# KiCad board control.kicad_pcb
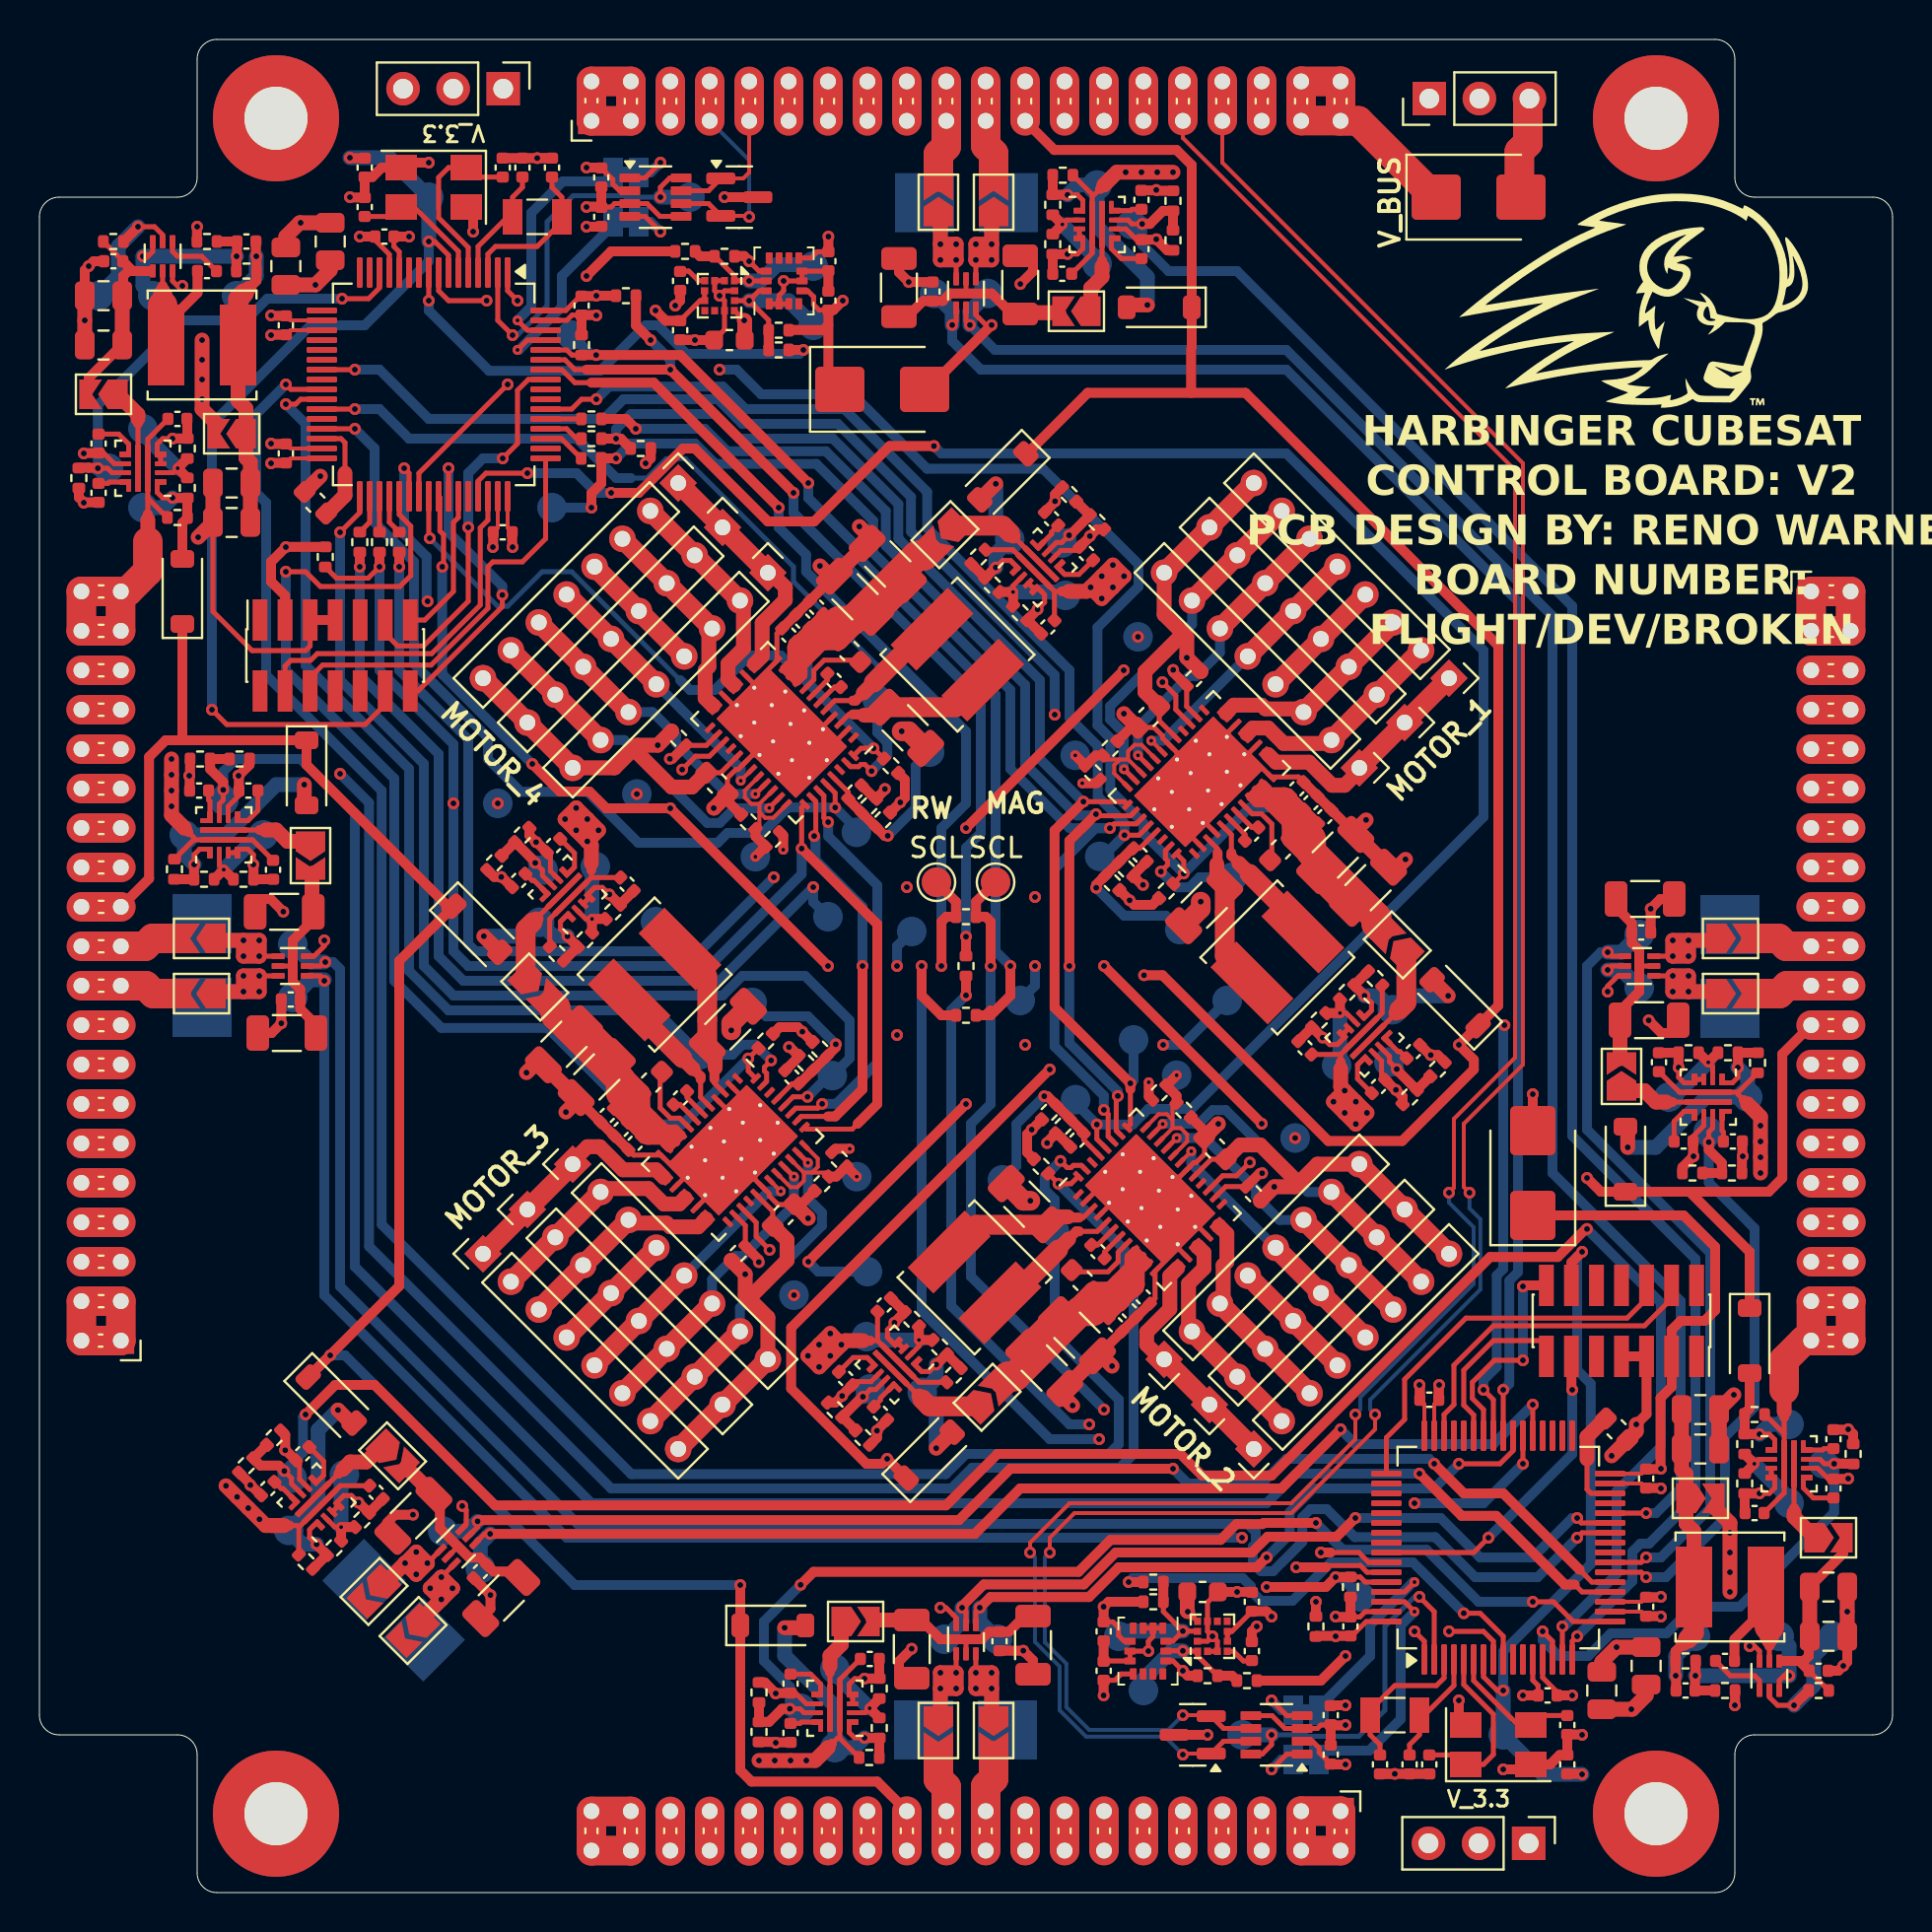
[diagram p0: board, top side]
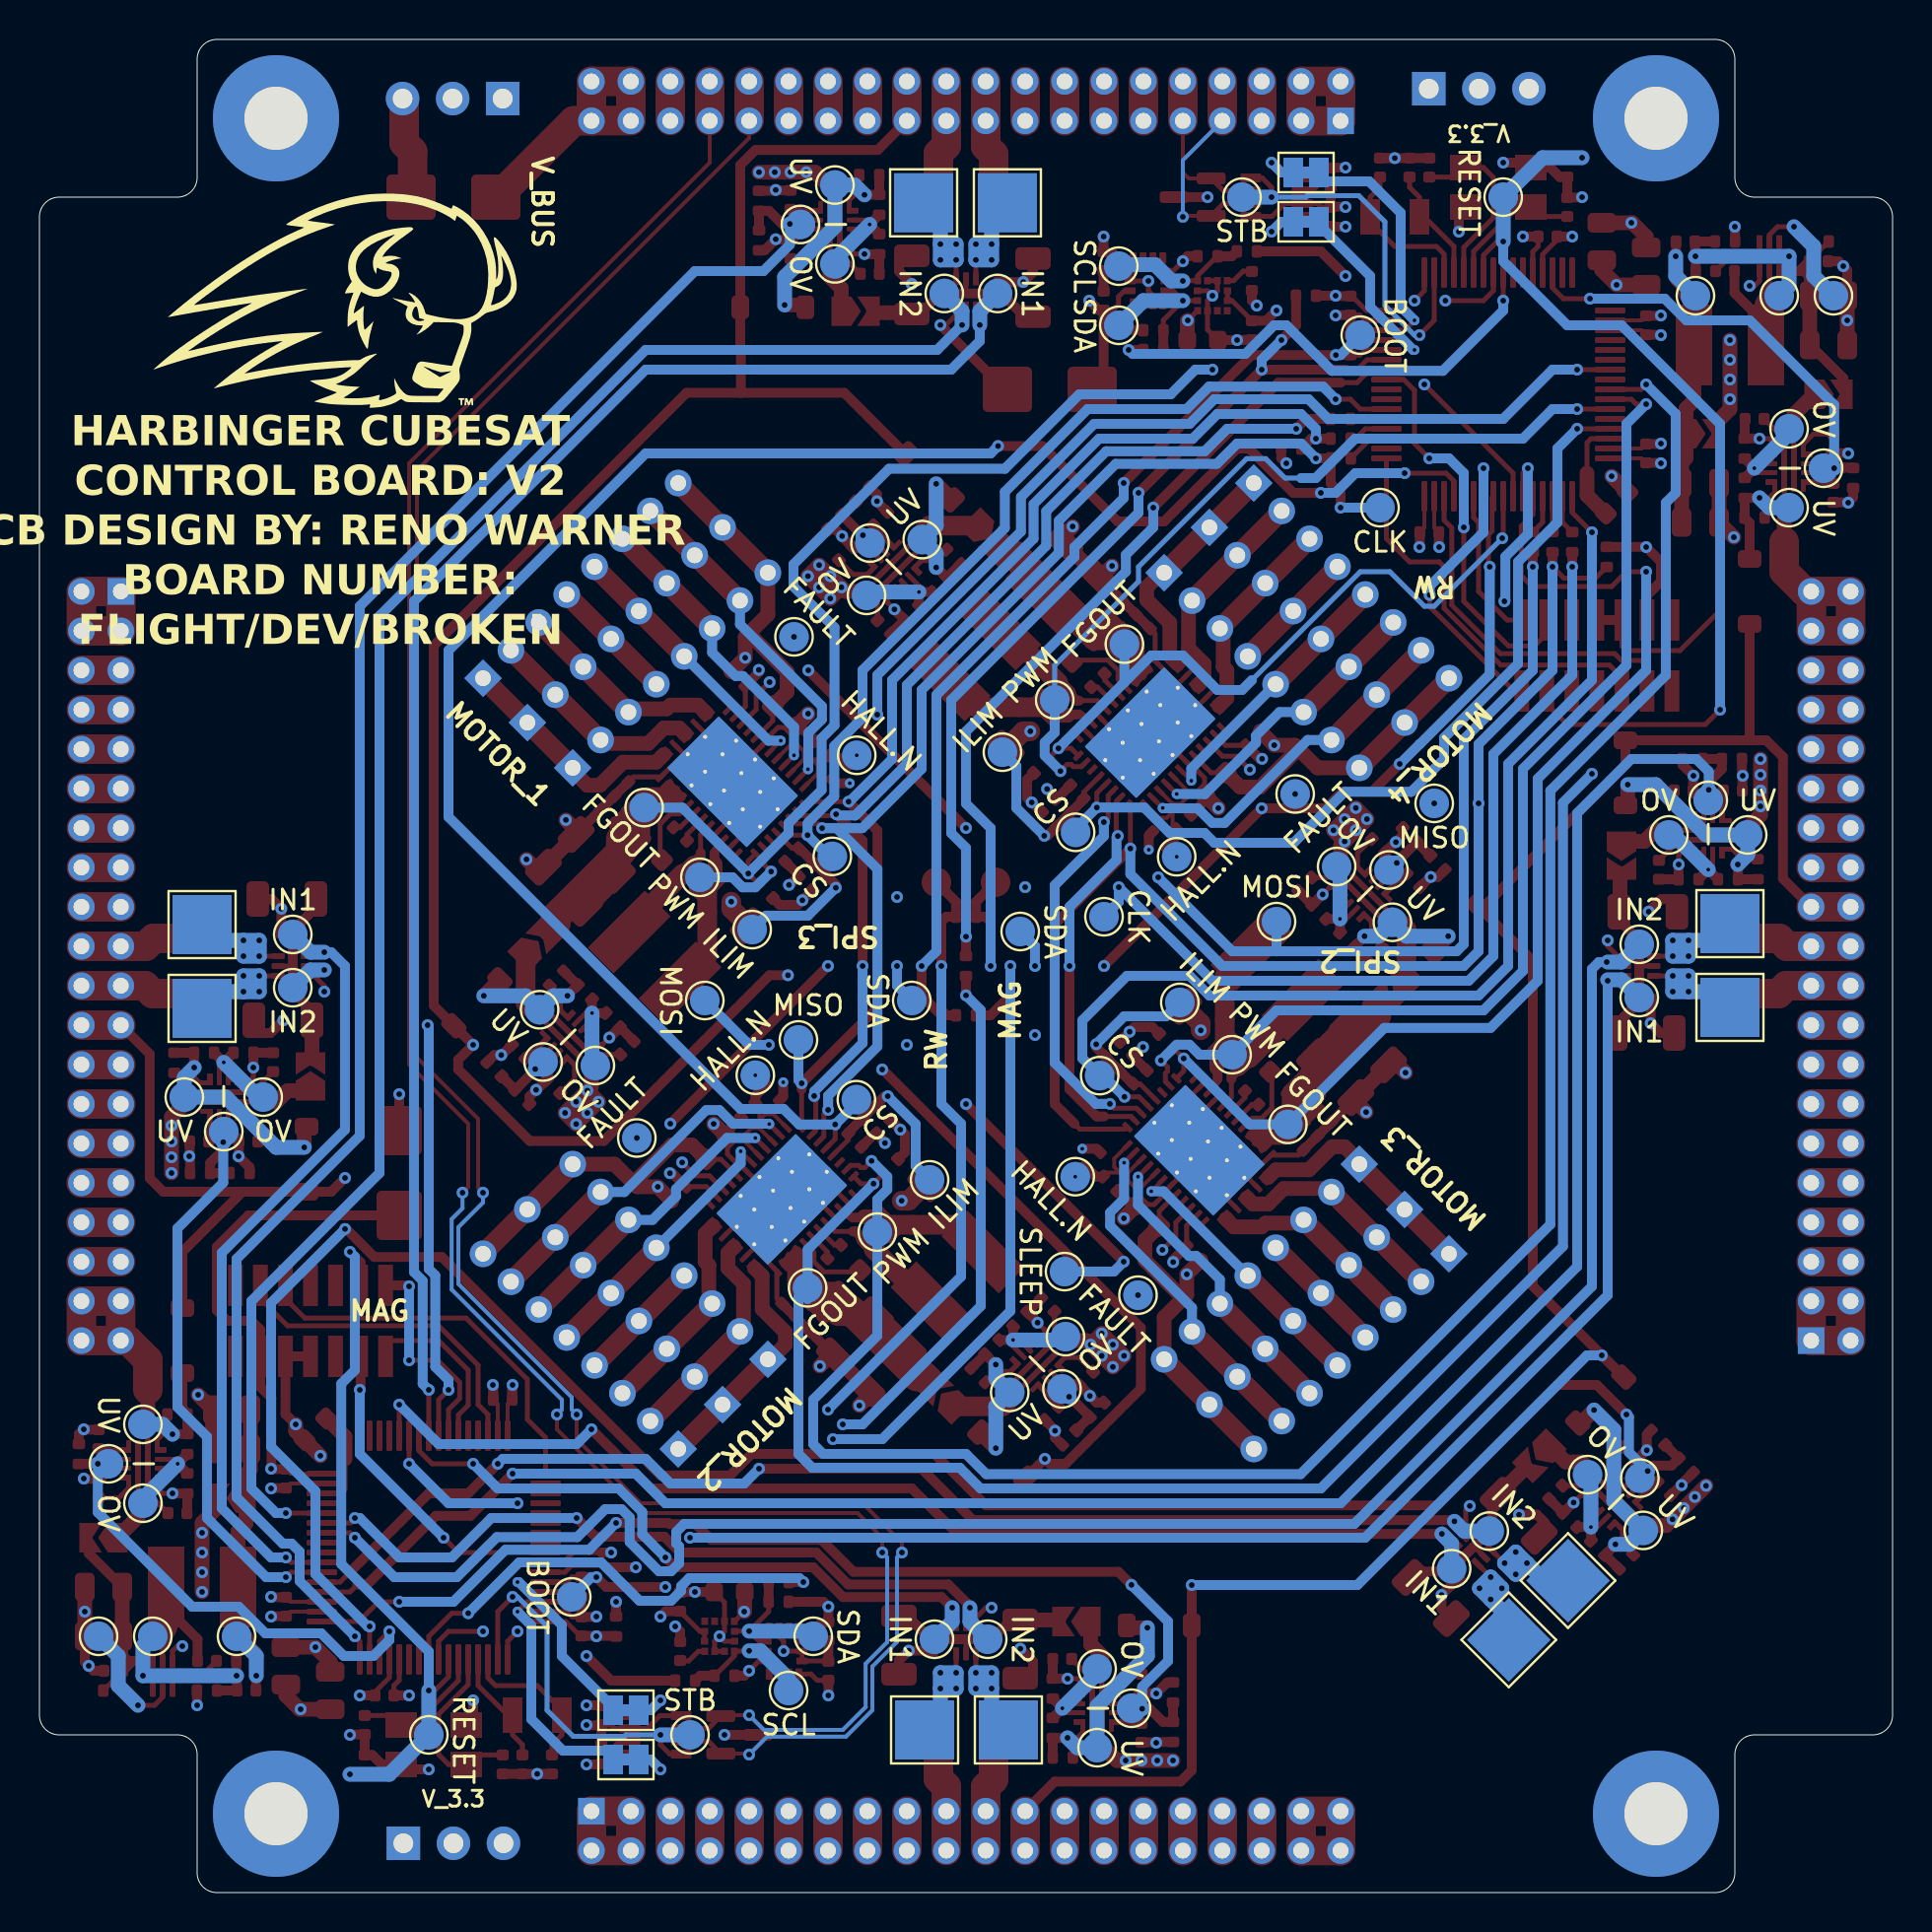
[diagram p1: board, bottom side, seen from below]

Outline 94 x 94 mm; copper layers: Top, In1.Cu, In2.Cu, Bottom. Coordinates in mm from the lower left corner of the outline.
Outline path: 0,85 0,9 arc(0.29,8.29) 1,8 7,8 arc(7.71,7.71) 8,7 8,1 arc(8.29,0.29) 9,0 85,0 arc(85.71,0.29) 86,1 86,7 arc(86.29,7.71) 87,8 93,8 arc(93.71,8.29) 94,9 94,85 arc(93.71,85.71) 93,86 87,86 arc(86.29,86.29) 86,87 86,93 arc(85.71,93.71) 85,94 9,94 arc(8.29,93.71) 8,93 8,87 arc(7.71,86.29) 7,86 1,86 arc(0.29,85.71) 0,85
Stack: Top 0.0175mm / dielectric 0.1855mm FR4 er 4.74 / In1.Cu 0.035mm / dielectric 1.03mm FR4 er 4.6 / In2.Cu 0.035mm / dielectric 0.1855mm FR4 er 4.74 / Bottom 0.0175mm

## Placement (name value [footprint] x y rotation side)
C1  100nF  [C_0402_1005Metric]  64.2 42.85 135 top
C2  4.7nF  [C_0402_1005Metric]  69.69 42.66 45 top
C3  4.7nF  [C_0402_1005Metric]  67.92 40.89 45 top
C4  100nF  [C_0402_1005Metric]  53.98 11.25 90 top
C5  100nF  [C_0402_1005Metric]  53.98 13.25 270 top
C6  100nF  [C_0402_1005Metric]  61.5 14.75 90 top
C7  1uF  [C_0603_1608Metric]  59 15.25 0 top
C8  100nF  [C_0402_1005Metric]  61.5 12.25 90 top
C9  100nF  [C_0402_1005Metric]  65.2 54.58 225 top
C10  100nF  [C_0402_1005Metric]  55.83 52.63 315 top
C11  100nF  [C_0402_1005Metric]  64.49 55.28 225 top
C12  100nF  [C_0402_1005Metric]  63.79 55.99 225 top
C13  22uF  [C_1206_3216Metric]  67.39 50.97 45 top
C14  22uF  [C_1206_3216Metric]  65.73 52.63 45 top
C15  22uF  [C_1206_3216Metric]  59.08 50.09 45 top
C16  1uF  [C_0603_1608Metric]  62.97 52.91 225 top
C17  47nF  [C_0402_1005Metric]  61.49 53.69 225 top
C18  1uF  [C_0603_1608Metric]  56.25 59.63 225 top
C19  100nF  [C_0402_1005Metric]  48.7 12.75 270 top
C20  22uF  [C_1206_3216Metric]  50.4 12.55 270 top
C21  22uF  [C_1206_3216Metric]  44.25 12.35 270 top
C22  100nF  [C_0402_1005Metric]  42.12 11.85 0 top
C23  4.7nF  [C_0402_1005Metric]  38.1 8.1 270 top
C24  4.7nF  [C_0402_1005Metric]  38.1 10.6 270 top
C25  100nF  [C_0402_1005Metric]  32.5 79.25 270 top
C26  1uF  [C_0603_1608Metric]  35 78.75 180 top
C27  100nF  [C_0402_1005Metric]  32.5 81.75 270 top
C28  100nF  [C_0402_1005Metric]  12.75 45.3 180 top
C29  22uF  [C_1206_3216Metric]  12.55 43.6 180 top
C30  22uF  [C_1206_3216Metric]  12.41 49.75 180 top
C31  100nF  [C_0402_1005Metric]  11.85 51.88 270 top
C32  4.7nF  [C_0402_1005Metric]  8.1 55.9 180 top
C33  4.7nF  [C_0402_1005Metric]  10.6 55.9 180 top
C34  100nF  [C_0402_1005Metric]  42.85 29.8 45 top
C35  4.7nF  [C_0402_1005Metric]  42.66 24.31 315 top
C36  4.7nF  [C_0402_1005Metric]  40.89 26.08 315 top
C37  100nF  [C_0402_1005Metric]  40.02 82.75 270 top
C38  100nF  [C_0402_1005Metric]  40.02 80.75 90 top
C39  100nF  [C_0402_1005Metric]  54.58 28.8 135 top
C40  100nF  [C_0402_1005Metric]  52.63 38.17 225 top
C41  100nF  [C_0402_1005Metric]  55.28 29.51 135 top
C42  100nF  [C_0402_1005Metric]  55.99 30.21 135 top
C43  22uF  [C_1206_3216Metric]  50.97 26.61 315 top
C44  22uF  [C_1206_3216Metric]  52.63 28.27 315 top
C45  22uF  [C_1206_3216Metric]  50.09 34.92 315 top
C46  1uF  [C_0603_1608Metric]  52.91 31.03 135 top
C47  47nF  [C_0402_1005Metric]  53.69 32.51 135 top
C48  1uF  [C_0603_1608Metric]  59.63 37.75 135 top
C49  100nF  [C_0402_1005Metric]  29.8 51.15 315 top
C50  4.7nF  [C_0402_1005Metric]  24.31 51.34 225 top
C51  4.7nF  [C_0402_1005Metric]  26.08 53.11 225 top
C52  100nF  [C_0402_1005Metric]  28.8 39.42 45 top
C53  100nF  [C_0402_1005Metric]  38.17 41.37 135 top
C54  100nF  [C_0402_1005Metric]  29.51 38.72 45 top
C55  100nF  [C_0402_1005Metric]  30.21 38.01 45 top
C56  22uF  [C_1206_3216Metric]  26.61 43.03 225 top
C57  22uF  [C_1206_3216Metric]  28.27 41.37 225 top
C58  22uF  [C_1206_3216Metric]  34.92 43.91 225 top
C59  1uF  [C_0603_1608Metric]  31.03 41.09 45 top
C60  47nF  [C_0402_1005Metric]  32.51 40.31 45 top
C61  1uF  [C_0603_1608Metric]  37.75 34.37 45 top
C62  100nF  [C_0402_1005Metric]  51.15 64.2 225 top
C63  4.7nF  [C_0402_1005Metric]  51.34 69.69 135 top
C64  4.7nF  [C_0402_1005Metric]  53.11 67.92 135 top
C65  100nF  [C_0402_1005Metric]  81.25 48.7 0 top
C66  22uF  [C_1206_3216Metric]  81.45 50.4 0 top
C67  22uF  [C_1206_3216Metric]  81.65 44.25 0 top
C68  100nF  [C_0402_1005Metric]  39.42 65.2 315 top
C69  100nF  [C_0402_1005Metric]  41.37 55.83 45 top
C70  100nF  [C_0402_1005Metric]  38.72 64.49 315 top
C71  100nF  [C_0402_1005Metric]  38.01 63.79 315 top
C72  22uF  [C_1206_3216Metric]  43.03 67.39 135 top
C73  22uF  [C_1206_3216Metric]  41.37 65.73 135 top
C74  22uF  [C_1206_3216Metric]  43.91 59.08 135 top
C75  1uF  [C_0603_1608Metric]  41.09 62.97 315 top
C76  47nF  [C_0402_1005Metric]  40.31 61.49 315 top
C77  1uF  [C_0603_1608Metric]  34.37 56.25 315 top
C78  100nF  [C_0402_1005Metric]  82.15 42.12 90 top
C79  4.7nF  [C_0402_1005Metric]  85.9 38.1 0 top
C80  4.7nF  [C_0402_1005Metric]  83.4 38.1 0 top
C81  100nF  [C_0402_1005Metric]  22.37 16.29 225 top
C82  22uF  [C_1206_3216Metric]  23.43 14.94 225 top
C83  22uF  [C_1206_3216Metric]  18.97 19.11 225 top
C84  100nF  [C_0402_1005Metric]  17.08 20.3 315 top
C85  4.7nF  [C_0402_1005Metric]  11.58 20.49 225 top
C86  4.7nF  [C_0402_1005Metric]  13.35 22.26 225 top
C87  100nF  [C_0402_1005Metric]  51.88 82.11 180 top
C88  4.7nF  [C_0402_1005Metric]  55.9 85.86 90 top
C89  4.7nF  [C_0402_1005Metric]  55.9 83.36 90 top
C90  100nF  [C_0402_1005Metric]  45.3 81.21 90 top
C91  22uF  [C_1206_3216Metric]  43.6 81.41 90 top
C92  22uF  [C_1206_3216Metric]  49.75 81.55 90 top
C93  100nF  [C_0402_1005Metric]  7 74.75 0 top
C94  4.7nF  [C_0402_1005Metric]  3 71 270 top
C95  4.7nF  [C_0402_1005Metric]  3 73.5 270 top
C96  100nF  [C_0402_1005Metric]  8.5 82.25 180 top
C97  47pF  [C_0402_1005Metric]  10.5 83.75 0 top
C98  100nF  [C_0402_1005Metric]  3.75 82.75 180 top
C99  10uF  [C_0805_2012Metric]  3.25 81 180 top
C100  10uF  [C_0805_2012Metric]  3.25 78.5 180 top
C101  10uF  [C_0805_2012Metric]  9.75 71.5 180 top
C102  10uF  [C_0805_2012Metric]  9.75 69.5 180 top
C103  100nF  [C_0402_1005Metric]  23.5 69 180 top
C104  100nF  [C_0402_1005Metric]  16.5 87.5 270 top
C105  10uF  [C_0805_2012Metric]  12.5 82.5 270 top
C106  100nF  [C_0402_1005Metric]  12.5 79.5 90 top
C107  10uF  [C_0805_2012Metric]  14.75 83.75 270 top
C108  100nF  [C_0402_1005Metric]  12.5 73 90 top
C109  100nF  [C_0402_1005Metric]  17.5 84 0 top
C110  100nF  [C_0402_1005Metric]  27.5 80.5 270 top
C111  4.7uF  [C_0603_1608Metric]  14 70.5 135 top
C112  6pF  [C_0402_1005Metric]  24.5 87.5 90 top
C113  6pF  [C_0402_1005Metric]  26 87.5 90 top
C114  12pF  [C_0402_1005Metric]  23.5 87.5 90 top
C115  12pF  [C_0402_1005Metric]  16.5 85.5 270 top
C116  100nF  [C_0402_1005Metric]  28.5 85 270 top
C117  100nF  [C_0402_1005Metric]  28.5 87 90 top
C118  100nF  [C_0402_1005Metric]  87 19.25 180 top
C119  4.7nF  [C_0402_1005Metric]  91 23 90 top
C120  4.7nF  [C_0402_1005Metric]  91 20.5 90 top
C121  100nF  [C_0402_1005Metric]  85.5 11.75 0 top
C122  47pF  [C_0402_1005Metric]  83.5 10.25 180 top
C123  100nF  [C_0402_1005Metric]  90.25 11.25 0 top
C124  10uF  [C_0805_2012Metric]  90.75 13 0 top
C125  10uF  [C_0805_2012Metric]  90.75 15.5 0 top
C126  10uF  [C_0805_2012Metric]  84.25 22.5 0 top
C127  10uF  [C_0805_2012Metric]  84.25 24.5 0 top
C128  100nF  [C_0402_1005Metric]  70.5 25 0 top
C129  100nF  [C_0402_1005Metric]  77.5 6.5 90 top
C130  10uF  [C_0805_2012Metric]  81.5 11.5 90 top
C131  100nF  [C_0402_1005Metric]  81.5 14.5 270 top
C132  10uF  [C_0805_2012Metric]  79.25 10.25 90 top
C133  100nF  [C_0402_1005Metric]  81.5 21 270 top
C134  100nF  [C_0402_1005Metric]  76.5 10 180 top
C135  100nF  [C_0402_1005Metric]  66.5 13.5 90 top
C136  4.7uF  [C_0603_1608Metric]  80 23.5 315 top
C137  6pF  [C_0402_1005Metric]  69.5 6.5 270 top
C138  6pF  [C_0402_1005Metric]  68 6.5 270 top
C139  12pF  [C_0402_1005Metric]  70.5 6.5 270 top
C140  12pF  [C_0402_1005Metric]  77.5 8.5 90 top
C141  100nF  [C_0402_1005Metric]  65.5 9 90 top
C142  100nF  [C_0402_1005Metric]  65.5 7 270 top
D1  SMBJ10A  [D_SMB]  73 86 0 top
D2  SMLVT3V3  [D_SMB]  42.75 76.25 0 top
D3  BAT43W  [D_SOD-123]  7.25 66 90 top
D4  BAT43W  [D_SOD-123]  37.2 13.55 0 top
D5  BAT43W  [D_SOD-123]  13.55 56.8 270 top
D6  SMLVT3V3  [D_SMB]  75.75 36.5 90 top
D7  BAT43W  [D_SOD-123]  86.75 28 270 top
D8  BAT43W  [D_SOD-123]  80.45 37.2 90 top
D9  BAT43W  [D_SOD-123]  45.14 22.19 45 top
D10  BAT43W  [D_SOD-123]  71.81 45.14 135 top
D11  BAT43W  [D_SOD-123]  22.19 48.86 315 top
D12  BAT43W  [D_SOD-123]  48.86 71.81 225 top
D13  BAT43W  [D_SOD-123]  14.8 24.98 315 top
D14  BAT43W  [D_SOD-123]  56.8 80.41 180 top
D15  ESD752DBZR  [SOT-23]  35.5 86 0 top
D16  ESD752DBZR  [SOT-23]  58.5 8 180 top
G***  LOGO  [Bision]  79.75 80.81 0 top
G***#2  LOGO  [Bision]  79.75 80.81 180 bottom
H1  ~  [MountingHole_3.2mm_M3_Pad]  12 90 180 top
H2  ~  [MountingHole_3.2mm_M3_Pad]  12 4 90 top
H3  ~  [MountingHole_3.2mm_M3_Pad]  82 90 90 top
H4  ~  [MountingHole_3.2mm_M3_Pad]  82 4 90 top
J1  TMM-120-01-F-D-RA  [PinHeader_2x20_P2.00mm_Horizontal]  66 4.13 270 top  (not fitted)
J2  TMM-120-01-F-D-RA  [PinHeader_2x20_P2.00mm_Horizontal]  28 89.87 90 top  (not fitted)
J3  TMM-120-01-F-D-RA  [PinHeader_2x20_P2.00mm_Horizontal]  4.13 28 180 top  (not fitted)
J4  TMM-120-01-F-D-RA  [PinHeader_2x20_P2.00mm_Horizontal]  89.87 66 0 top  (not fitted)
J5  CONN_1x08_2  [PinHeader_1x08_P2.00mm_Vertical]  57.05 27.05 135 top  (not fitted)
J6  CONN_1x08_2  [PinHeader_1x08_P2.00mm_Vertical]  61.6 22.5 135 top  (not fitted)
J7  CONN_1x08_2  [PinHeader_1x08_P2.00mm_Vertical]  59.35 24.75 135 top  (not fitted)
J8  CONN_1x08_2  [PinHeader_1x08_P2.00mm_Vertical]  66.95 57.05 225 top  (not fitted)
J9  CONN_1x08_2  [PinHeader_1x08_P2.00mm_Vertical]  71.5 61.6 225 top  (not fitted)
J10  CONN_1x08_2  [PinHeader_1x08_P2.00mm_Vertical]  69.25 59.35 225 top  (not fitted)
J11  CONN_1x08_2  [PinHeader_1x08_P2.00mm_Vertical]  27.05 36.95 45 top  (not fitted)
J12  CONN_1x08_2  [PinHeader_1x08_P2.00mm_Vertical]  22.5 32.4 45 top  (not fitted)
J13  CONN_1x08_2  [PinHeader_1x08_P2.00mm_Vertical]  24.75 34.65 45 top  (not fitted)
J14  CONN_1x08_2  [PinHeader_1x08_P2.00mm_Vertical]  36.95 66.95 315 top  (not fitted)
J15  CONN_1x08_2  [PinHeader_1x08_P2.00mm_Vertical]  32.4 71.5 315 top  (not fitted)
J16  CONN_1x08_2  [PinHeader_1x08_P2.00mm_Vertical]  34.65 69.25 315 top  (not fitted)
J17  CONN_1x03_2.54  [PinHeader_1x03_P2.54mm_Vertical]  70.5 91 90 top  (not fitted)
J18  CONN_1x03_2.54  [PinHeader_1x03_P2.54mm_Vertical]  23.52 91.5 270 top  (not fitted)
J19  FTSH-107-01-L-DV-K  [PinSocket_2x07_P1.27mm_Vertical_SMD]  15 62.75 90 top  (not fitted)
J20  CONN_1x03_2.54  [PinHeader_1x03_P2.54mm_Vertical]  75.54 2.5 270 top  (not fitted)
J21  FTSH-107-01-L-DV-K  [PinSocket_2x07_P1.27mm_Vertical_SMD]  80.25 29 270 top  (not fitted)
JP1  SolderJumper_2_Open  [SolderJumper-2_P1.3mm_Open_TrianglePad1.0x1.5mm]  3.25 76 180 top
JP2  SolderJumper_2_Open  [SolderJumper-2_P1.3mm_Open_TrianglePad1.0x1.5mm]  41.4 13.75 0 top
JP3  SolderJumper_2_Open  [SolderJumper-2_P1.3mm_Open_TrianglePad1.0x1.5mm]  48.4 8.22 270 top
JP4  SolderJumper_2_Open  [SolderJumper-2_P1.3mm_Open_TrianglePad1.0x1.5mm]  45.6 8.22 270 top
JP5  SolderJumper_2_Open  [SolderJumper-2_P1.3mm_Open_TrianglePad1.0x1.5mm]  13.75 52.6 270 top
JP6  SolderJumper_2_Open  [SolderJumper-2_P1.3mm_Open_TrianglePad1.0x1.5mm]  8.22 45.6 180 top
JP7  SolderJumper_2_Open  [SolderJumper-2_P1.3mm_Open_TrianglePad1.0x1.5mm]  8.22 48.4 180 top
JP8  SolderJumper_2_Open  [SolderJumper-2_P1.3mm_Open_TrianglePad1.0x1.5mm]  90.75 18 0 top
JP9  SolderJumper_2_Open  [SolderJumper-2_P1.3mm_Open_TrianglePad1.0x1.5mm]  80.25 41.4 90 top
JP10  SolderJumper_2_Open  [SolderJumper-2_P1.3mm_Open_TrianglePad1.0x1.5mm]  85.78 48.4 0 top
JP11  SolderJumper_2_Open  [SolderJumper-2_P1.3mm_Open_TrianglePad1.0x1.5mm]  85.78 45.6 0 top
JP12  SolderJumper_2_Open  [SolderJumper-2_P1.3mm_Open_TrianglePad1.0x1.5mm]  48.07 25.12 45 top
JP13  SolderJumper_2_Open  [SolderJumper-2_P1.3mm_Open_TrianglePad1.0x1.5mm]  68.88 48.07 135 top
JP14  SolderJumper_2_Open  [SolderJumper-2_P1.3mm_Open_TrianglePad1.0x1.5mm]  25.12 45.93 315 top
JP15  SolderJumper_2_Open  [SolderJumper-2_P1.3mm_Open_TrianglePad1.0x1.5mm]  45.93 68.88 225 top
JP16  SolderJumper_2_Open  [SolderJumper-2_P1.3mm_Open_TrianglePad1.0x1.5mm]  17.91 22.15 315 top
JP17  SolderJumper_2_Open  [SolderJumper-2_P1.3mm_Open_TrianglePad1.0x1.5mm]  18.95 13.3 225 top
JP18  SolderJumper_2_Open  [SolderJumper-2_P1.3mm_Open_TrianglePad1.0x1.5mm]  16.97 15.27 225 top
JP19  SolderJumper_2_Open  [SolderJumper-2_P1.3mm_Open_TrianglePad1.0x1.5mm]  52.6 80.21 180 top
JP20  SolderJumper_2_Open  [SolderJumper-2_P1.3mm_Open_TrianglePad1.0x1.5mm]  45.6 85.74 90 top
JP21  SolderJumper_2_Open  [SolderJumper-2_P1.3mm_Open_TrianglePad1.0x1.5mm]  48.4 85.74 90 top
JP22  SolderJumper_2_Open  [SolderJumper-2_P1.3mm_Open_TrianglePad1.0x1.5mm]  9.75 74 180 top
JP23  Jumper_2_Bridged  [SolderJumper-2_P1.3mm_Bridged_Pad1.0x1.5mm]  29.75 87.25 0 bottom
JP24  Jumper_2_Bridged  [SolderJumper-2_P1.3mm_Bridged_Pad1.0x1.5mm]  29.75 84.75 0 bottom
JP25  SolderJumper_2_Open  [SolderJumper-2_P1.3mm_Open_TrianglePad1.0x1.5mm]  84.25 20 0 top
JP26  Jumper_2_Bridged  [SolderJumper-2_P1.3mm_Bridged_Pad1.0x1.5mm]  64.25 6.75 180 bottom
JP27  Jumper_2_Bridged  [SolderJumper-2_P1.3mm_Bridged_Pad1.0x1.5mm]  64.25 9.25 180 bottom
L1  LQH5BPN220MT0L  [L_Murata_5x5]  62.8 47.43 45 top
L2  LQH5BPN220MT0L  [L_Murata_5x5]  47.43 31.2 315 top
L3  LQH5BPN220MT0L  [L_Murata_5x5]  31.2 46.57 225 top
L4  LQH5BPN220MT0L  [L_Murata_5x5]  46.57 62.8 135 top
L5  LQH5BPN2R2NT0L  [L_Murata_5x5]  8.25 78.5 0 top
L7  LQH5BPN2R2NT0L  [L_Murata_5x5]  85.75 15.5 180 top
R1  4.7kΩ  [R_0402_1005Metric]  29.75 81 0 top
R2  100Ω  [R_0402_1005Metric]  47 47 90 top
R3  100Ω  [R_0402_1005Metric]  47 49.5 180 top
R4  100Ω  [R_0402_1005Metric]  47 44.5 0 top
R5  4.7kΩ  [R_0402_1005Metric]  64.75 13.5 90 top
R6  30kΩ  [R_0402_1005Metric]  67.75 46.37 135 top
R7  4.7kΩ  [R_0402_1005Metric]  66.33 45.67 225 top
R8  4.7kΩ  [R_0402_1005Metric]  64.92 44.25 225 top
R9  100Ω  [R_0402_1005Metric]  17.25 68.5 270 top
R10  100Ω  [R_0402_1005Metric]  18.25 68.5 270 top
R11  100Ω  [R_0402_1005Metric]  16.25 68.5 270 top
R12  100Ω  [R_0402_1005Metric]  28 73.75 0 top
R13  100Ω  [R_0402_1005Metric]  28 74.75 0 top
R14  100Ω  [R_0402_1005Metric]  27.99 72.75 0 top
R15  4.7kΩ  [R_0402_1005Metric]  14.5 67.75 270 top
R16  4.7kΩ  [R_0402_1005Metric]  30.5 73.25 180 top
R17  4.7kΩ  [R_0402_1005Metric]  34.75 83 0 top
R18  4.7kΩ  [R_0402_1005Metric]  37.5 79.25 0 top
R19  100Ω  [R_0402_1005Metric]  32.75 83.25 0 top
R20  100Ω  [R_0402_1005Metric]  37.5 78.25 180 top
R21  4.7kΩ  [R_0402_1005Metric]  2 71.75 90 top
R22  4.7kΩ  [R_0402_1005Metric]  36.5 10.15 270 top
R23  4.7kΩ  [R_0402_1005Metric]  36.5 8.15 90 top
R24  4.7kΩ  [R_0402_1005Metric]  53.43 56.8 135 top
R25  4.7kΩ  [R_0402_1005Metric]  54.31 58.04 45 top
R26  220kΩ  [R_0402_1005Metric]  54.42 51.22 135 top
R27  133kΩ  [R_0402_1005Metric]  55.12 51.92 315 top
R28  4.7kΩ  [R_0402_1005Metric]  57.16 50.81 45 top
R29  4.7kΩ  [R_0402_1005Metric]  58.55 61.58 225 top
R30  30kΩ  [R_0402_1005Metric]  42.09 6.85 0 top
R31  4.7kΩ  [R_0402_1005Metric]  42.6 8.35 90 top
R32  4.7kΩ  [R_0402_1005Metric]  42.6 10.35 90 top
R33  4.7kΩ  [R_0402_1005Metric]  10.15 57.5 180 top
R34  4.7kΩ  [R_0402_1005Metric]  8.15 57.5 0 top
R35  30kΩ  [R_0402_1005Metric]  6.85 51.91 270 top
R36  4.7kΩ  [R_0402_1005Metric]  8.35 51.4 0 top
R37  4.7kΩ  [R_0402_1005Metric]  10.35 51.4 0 top
R38  4.7kΩ  [R_0402_1005Metric]  92 22.25 270 top
R39  4.7kΩ  [R_0402_1005Metric]  83.85 36.5 0 top
R40  4.7kΩ  [R_0402_1005Metric]  85.85 36.5 180 top
R41  4.7kΩ  [R_0402_1005Metric]  41.77 23.08 135 top
R42  4.7kΩ  [R_0402_1005Metric]  40.36 24.49 315 top
R43  30kΩ  [R_0402_1005Metric]  46.37 26.25 45 top
R44  4.7kΩ  [R_0402_1005Metric]  45.67 27.67 135 top
R45  4.7kΩ  [R_0402_1005Metric]  44.25 29.08 135 top
R46  4.7kΩ  [R_0402_1005Metric]  70.92 41.77 225 top
R47  4.7kΩ  [R_0402_1005Metric]  69.51 40.36 45 top
R48  4.7kΩ  [R_0402_1005Metric]  59.25 11 180 top
R49  4.7kΩ  [R_0402_1005Metric]  56.5 14.75 180 top
R50  100Ω  [R_0402_1005Metric]  61.25 10.75 180 top
R51  100Ω  [R_0402_1005Metric]  56.5 15.75 0 top
R52  4.7kΩ  [R_0402_1005Metric]  56.8 40.57 45 top
R53  4.7kΩ  [R_0402_1005Metric]  58.04 39.69 315 top
R54  220kΩ  [R_0402_1005Metric]  51.22 39.58 45 top
R55  133kΩ  [R_0402_1005Metric]  51.92 38.88 225 top
R56  4.7kΩ  [R_0402_1005Metric]  50.81 36.84 315 top
R57  4.7kΩ  [R_0402_1005Metric]  61.58 35.45 135 top
R58  4.7kΩ  [R_0402_1005Metric]  23.08 52.23 45 top
R59  4.7kΩ  [R_0402_1005Metric]  24.49 53.64 225 top
R60  30kΩ  [R_0402_1005Metric]  26.25 47.63 315 top
R61  4.7kΩ  [R_0402_1005Metric]  27.67 48.33 45 top
R62  4.7kΩ  [R_0402_1005Metric]  29.08 49.75 45 top
R63  4.7kΩ  [R_0402_1005Metric]  40.57 37.2 315 top
R64  4.7kΩ  [R_0402_1005Metric]  39.69 35.96 225 top
R65  220kΩ  [R_0402_1005Metric]  39.58 42.78 315 top
R66  133kΩ  [R_0402_1005Metric]  38.88 42.08 135 top
R67  4.7kΩ  [R_0402_1005Metric]  36.84 43.19 225 top
R68  4.7kΩ  [R_0402_1005Metric]  35.45 32.42 45 top
R69  4.7kΩ  [R_0402_1005Metric]  52.23 70.92 315 top
R70  4.7kΩ  [R_0402_1005Metric]  53.64 69.51 135 top
R71  30kΩ  [R_0402_1005Metric]  47.63 67.75 225 top
R72  4.7kΩ  [R_0402_1005Metric]  48.33 66.33 315 top
R73  4.7kΩ  [R_0402_1005Metric]  49.75 64.92 315 top
R74  4.7kΩ  [R_0402_1005Metric]  37.2 53.43 225 top
R75  4.7kΩ  [R_0402_1005Metric]  35.96 54.31 135 top
R76  220kΩ  [R_0402_1005Metric]  42.78 54.42 225 top
R77  133kΩ  [R_0402_1005Metric]  42.08 55.12 45 top
R78  4.7kΩ  [R_0402_1005Metric]  43.19 57.16 135 top
R79  4.7kΩ  [R_0402_1005Metric]  32.42 58.55 315 top
R80  30kΩ  [R_0402_1005Metric]  87.15 42.09 90 top
R81  4.7kΩ  [R_0402_1005Metric]  85.65 42.6 180 top
R82  4.7kΩ  [R_0402_1005Metric]  83.65 42.6 180 top
R83  4.7kΩ  [R_0402_1005Metric]  11.9 23.07 225 top
R84  4.7kΩ  [R_0402_1005Metric]  10.49 21.66 45 top
R85  30kΩ  [R_0402_1005Metric]  13.52 16.79 315 top
R86  4.7kΩ  [R_0402_1005Metric]  14.94 17.49 45 top
R87  4.7kΩ  [R_0402_1005Metric]  16.36 18.9 45 top
R88  30kΩ  [R_0402_1005Metric]  51.91 87.11 180 top
R89  4.7kΩ  [R_0402_1005Metric]  51.4 85.61 270 top
R90  4.7kΩ  [R_0402_1005Metric]  51.4 83.61 270 top
R91  4.7kΩ  [R_0402_1005Metric]  57.5 83.81 90 top
R92  4.7kΩ  [R_0402_1005Metric]  57.5 85.81 270 top
R93  30kΩ  [R_0402_1005Metric]  7 69.75 0 top
R94  4.7kΩ  [R_0402_1005Metric]  7.5 71.25 90 top